# Allegro board A733_PRO3_AXP318_LPDDR5_FBGA315BALL_32X1_V2_0.brd (continued)
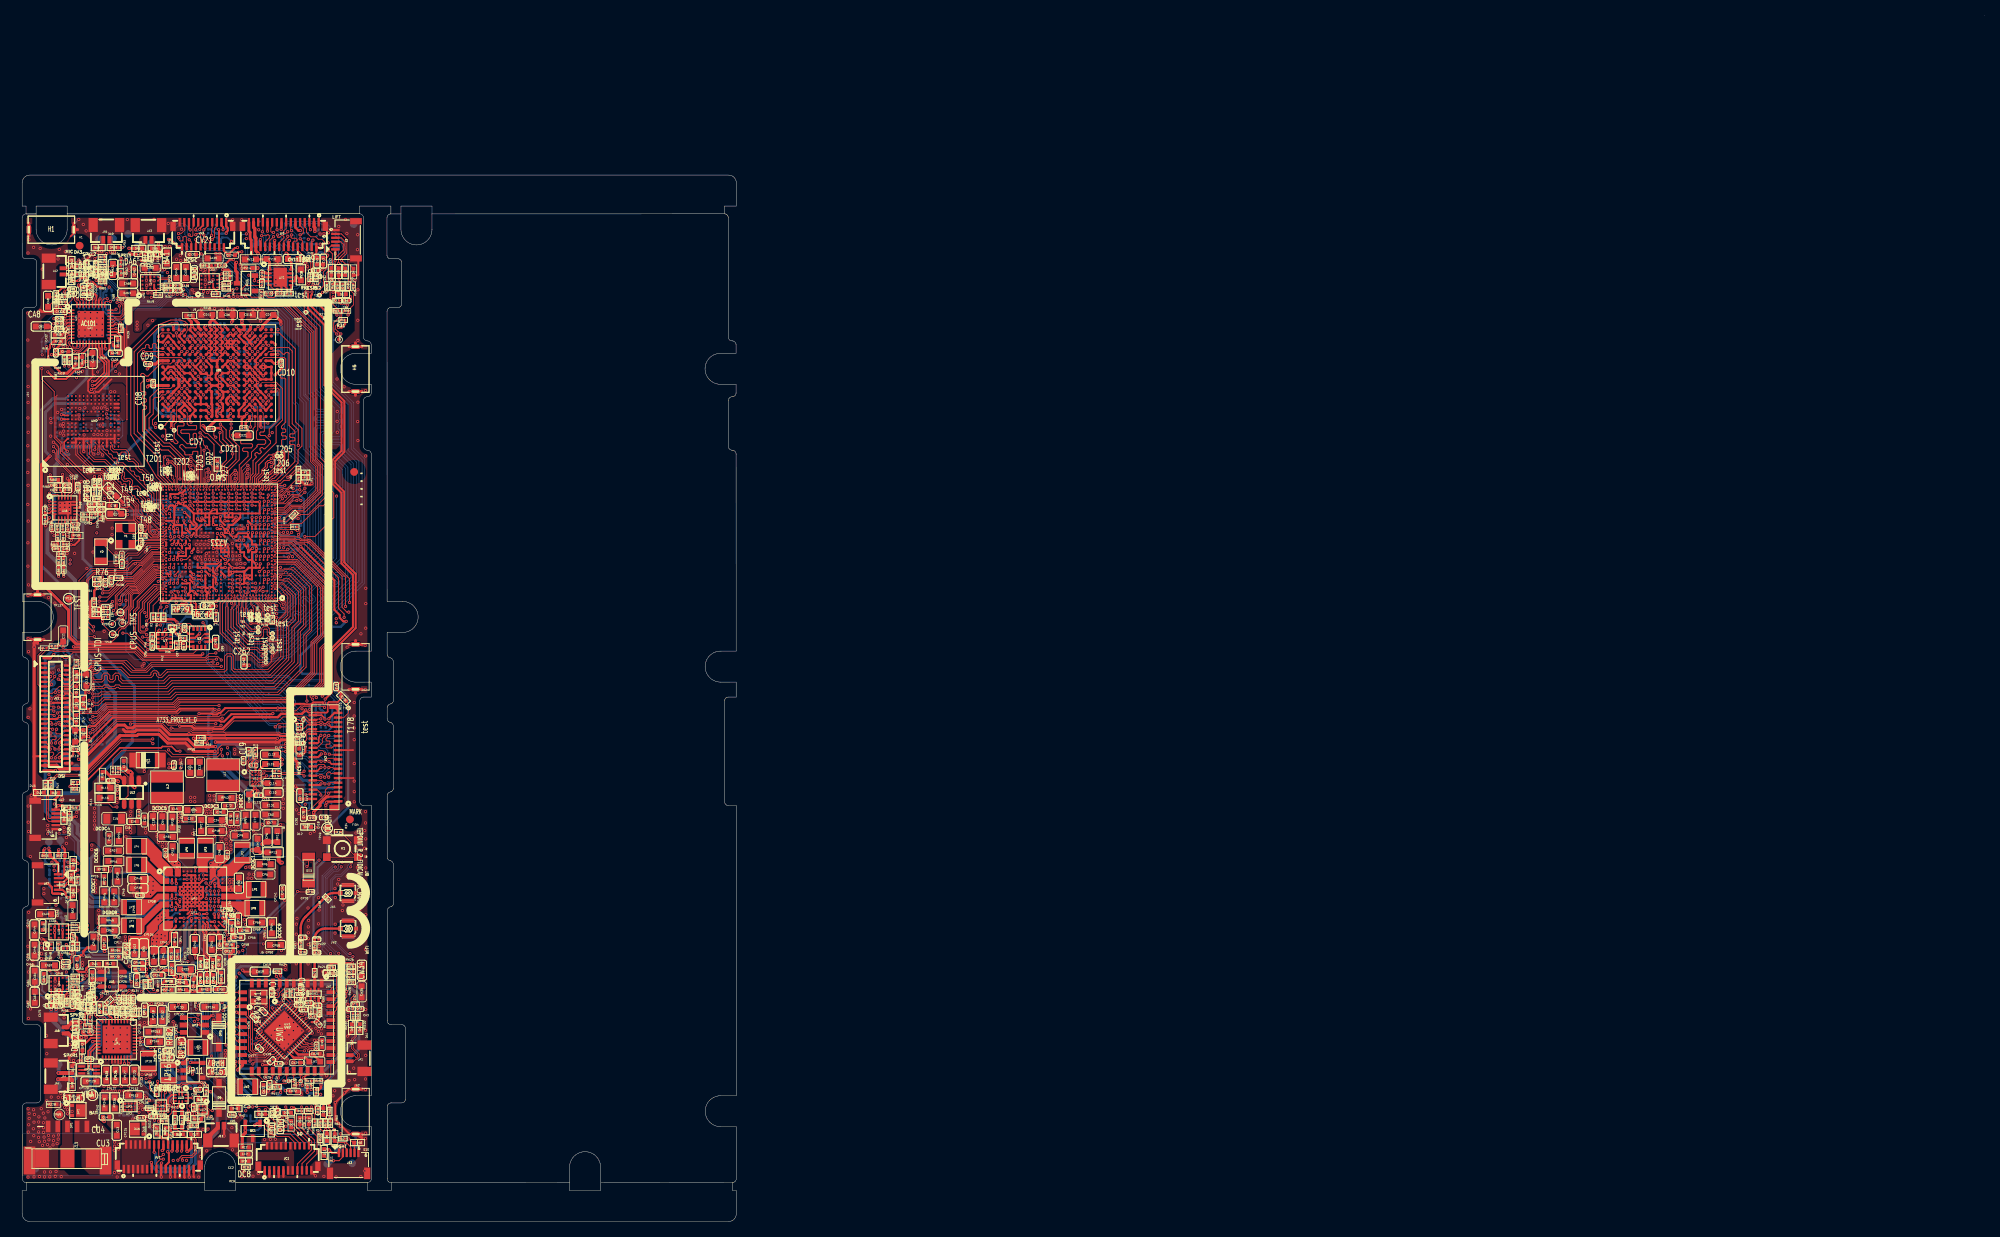
[diagram p0: board, top side]
## Copper pours and planes (outline as drawn; the poured copper is in the pictures) (continued)
DCDC2 on TOP: 26.73,52.07 26.62,52.18 26.62,53.62 26.63,53.63 26.63,54.11 26.64,54.12 26.64,54.95 26.79,55.1 27.91,55.1 28.75,54.27 31.68,54.27 31.95,54 31.95,51.23 31.9,51.18 31.41,51.18 31.31,51.28 31.31,51.57 30.82,52.07
DCDC2 on BOTTOM: 26.82,86.23 26.82,87.52 27,87.7 27.2,87.7 27.41,87.5 27.66,87.5 27.71,87.45 27.71,86.74 27.84,86.61 29.29,86.61 29.4,86.51 29.4,84.95 29.13,84.68 27.29,84.68 27.08,84.89 27.08,85.61 26.95,85.75 26.95,86.1
DCDC2 on L3: 34.47,84.53 34.47,77.69 33.62,76.84 33.62,71.67 32.53,70.57 32.53,53.64 31.69,52.81 27.82,52.81 27.32,53.31 27.32,54.63 27.34,54.66 27.34,55.56 28.82,57.04 28.82,70.3 27.34,71.78 27.34,77.21 27.18,77.38 27.18,80.06 25.92,81.32 25.92,84.26 26.37,84.71 26.37,85.24 26.85,85.72 26.85,85.95 26.64,86.15 26.64,86.16 25.9,86.16 25,87.06 25,88.63 25.37,89 26.07,89 26.4,88.67 26.59,88.67 27.02,89.1 27.26,89.1 27.54,88.82 28.61,88.82 28.81,88.62 28.81,87.7 29.37,87.14 29.37,86.7 29.55,86.52 32.47,86.52
DCDC2 on L4: 21.28,90.98 21.99,90.98 22.5,90.48 25.65,90.48 26.06,90.07 27.62,90.07 28.89,88.8 28.89,85.32 28.98,85.23 28.98,84.77 28.81,84.61 27.12,84.61 26.86,84.87 26.86,85.99 26.81,85.99 26.68,86.12 25.72,86.12 24.32,87.52 24.32,88.29 23.93,88.67 22.83,88.67 22.64,88.48 22.64,88.3 22.65,88.29 22.5,88.14 22.2,88.14 22.03,88.3 22.03,88.93 21.24,89.71 20.85,89.71 20.63,89.93 20.63,90.5 20.9,90.77 21.07,90.77
DCDC3 on TOP: 23.7,86.56 25.3,86.56 25.4,86.46 25.4,85.26 25.27,85.14 23.55,85.14 23.39,84.98 23.39,84.78 23.29,84.68 23.06,84.68 22.39,85.36 22.17,85.36 21.99,85.53 21.99,85.83 22.25,86.09 23.23,86.09
DCDC3 on TOP: 22.44,53.83 25.26,53.83 25.41,53.68 25.41,52.49 25.36,52.44 24.9,52.44 24.76,52.3 24.76,51.47 24.7,51.41 21.94,51.41 21.7,51.65 21.7,52.22 22.25,52.77 22.25,53.64
DCDC3 on BOTTOM: 23.65,86.53 24.03,86.53 24.54,87.04 25.25,87.04 25.35,86.94 25.35,86.53 25.63,86.25 25.63,85.89 25.76,85.75 25.76,84.96 25.7,84.9 23.45,84.9 23.31,84.76 23.31,84.76 23.09,84.76 23.04,84.81 23.04,85.18 22.95,85.28 22.25,85.28 22.1,85.43 22.1,85.75 22.23,85.88 22.99,85.88
DCDC3 on L3: 25.23,86.6 25.41,86.42 25.41,85.05 25.58,84.88 25.58,82.8 25.88,82.5 25.88,80.77 26.33,80.32 26.33,79.8 26.86,79.28 26.86,71.6 28.41,70.05 28.41,57.15 26.89,55.63 26.89,52.41 26.67,52.19 25.89,52.19 25.83,52.25 21.9,52.25 20.91,53.24 20.2,53.24 20.04,53.4 20.04,56.75 20.92,57.62 20.92,61.16 20.56,61.52 20.56,63.22 20.92,63.58 20.92,64.5 20.58,64.83 20.58,73.32 20.61,73.32 20.92,73.63 20.92,77.17 20.17,77.92 19.82,77.92 18.41,79.33 18.41,80.58 18.49,80.66 18.49,84.65 18.68,84.84 20.48,84.84 21.06,85.41 21.76,85.41 22.41,86.07 23.22,86.07 23.59,86.44 24.75,86.44 24.91,86.6
DCDC4 on TOP: 22.89,88.16 22.71,88.34 22.71,89.15 23.04,89.48 23.22,89.48 23.27,89.43 23.27,89.13 23.39,89 24.71,89 24.79,88.92 24.79,88.29 24.66,88.16
DCDC4 on TOP: 14.69,50.94 14.69,50.18 14.46,49.95 11.98,49.95 11.58,49.54 10.92,49.54 10.62,49.83 10.62,50.37 11.49,51.23 14.4,51.23
DCDC4 on BOTTOM: 23.06,89.47 23.14,89.39 23.14,89.25 23.34,89.05 24.48,89.05 24.58,88.95 24.58,88.2 24.54,88.16 22.89,88.16 22.73,88.31 22.73,88.52 22.12,89.13 22.12,89.43 22.16,89.47
DCDC4 on L3: 19.66,57.22 16.47,54.04 16.47,51.73 15.6,50.86 15.6,50.09 15.49,49.97 13.84,49.97 13.31,50.51 13.31,58.44 13.75,58.89 13.75,63.3 14.32,63.86 14.32,64.78 13.98,65.12 13.98,84.95 17.22,88.19 22.26,88.19 22.69,88.62 24.37,88.62 24.77,88.21 24.77,86.91 24.54,86.68 22.59,86.68 22.42,86.51 22.42,86.17 21.92,85.66 18.71,85.66 18.05,85 18.05,81.19 17.53,80.67 17.53,79.26 19.66,77.13
DCDC5 on TOP: 19.4,53.86 19.57,53.69 19.57,52.82 19.77,52.62 19.77,51.86 19.72,51.81 16.67,51.81 16.65,51.79 16.34,51.79 16.2,51.93 15.53,51.93 15.46,51.99 15.46,52.98 16.34,53.86
DCDC5 on TOP: 24.23,88.01 24.33,87.91 24.33,86.88 24.17,86.71 23.65,86.71 23.14,86.2 22.52,86.2 22.38,86.34 22.38,86.97 22.25,87.09 22.07,87.09 21.92,87.25 21.92,87.88 22.05,88.01
DCDC5 on BOTTOM: 22.71,88.11 22.78,88.03 24.56,88.03 24.64,87.96 24.64,87.27 24,86.64 23.67,86.64 22.91,85.87 22.91,84.93 22.78,84.81 22.38,84.81 22.25,84.68 18.7,84.68 17.51,83.49 17.51,75.28 18.56,74.24 19.85,74.24 23.55,70.53 23.55,57.06 20.58,54.09 20.58,53.66 19.65,52.73 16.88,52.73 16.45,53.15 16.45,57.21 17.69,58.44 17.69,70.87 15.69,72.86 14.39,72.86 13.86,73.39 13.86,73.4 13.56,73.71 13.56,79.01 13.86,79.31 13.86,86.64 15.34,88.11
DCDC6 on TOP: 10.57,46.92 11.43,46.92 11.57,46.78 11.57,45.07 11.44,44.94 10.59,44.94 10.31,45.23 10.31,46.66
DCDC6 on BOTTOM: 24.77,89.71 24.28,89.71 23.88,90.12 23.88,90.85 23.65,91.08 23.65,91.64 23.86,91.85 23.86,93.99 23.59,94.26 22.41,94.26 22.24,94.43 15.5,94.43 12.95,91.88 12.95,81.78 13.17,81.56 13.17,73.54 14.4,72.31 14.82,72.31 15.85,71.28 16.35,71.28 17.39,70.23 17.39,60.22 15.36,58.19 15.36,57.86 15.16,57.66 15.16,54.56 13.61,53.01 13.61,52.5 13.22,52.11 13.22,45.25 12.86,44.89 11.11,44.89 10.9,45.1 10.9,46.56 11.51,47.17 11.51,57.07 16.06,61.62 16.06,68.51 16.05,68.52 16.05,69.14 12.23,72.96 12.23,73.97 11.28,74.93 11.28,77.12 10.54,77.85 10.54,90.21 10.93,90.6 10.93,93.19 17.06,99.32 23.9,99.32 25.43,97.79 25.43,95.67 25.19,95.43 25.19,95.26 25.32,95.12 25.32,91.18 25.22,91.08 25.22,90.5 25.17,90.45 25.17,90.01 25.15,89.99 24.94,89.99 24.89,89.94 24.89,89.84 ; 1 cut-out
DCDC7 on TOP: 8.9,43.98 9.18,44.27 9.69,44.27 9.98,43.98 10.87,43.98 11.04,43.8 11.04,42.25 10.98,42.19 10.29,42.19 10.29,42.18 8.99,42.18 8.9,42.28
DCDC7 on BOTTOM: 9.21,47.12 9.93,47.84 9.93,56.82 10.14,57.03 10.14,57.29 13.44,60.59 13.44,60.81 14.47,61.84 14.47,63.25 14.74,63.52 14.74,69.17 8.71,75.2 8.71,83.28 8.72,83.29 8.72,84.61 7.85,85.49 7.85,93.56 15.39,101.1 20.29,101.1 21,101.81 24.45,101.81 24.52,101.88 24.52,104.96 23.89,105.59 22.63,105.59 21.8,106.42 21.8,107.34 21.43,107.72 19.84,107.72 18.97,108.59 18.97,110.85 19.66,111.54 20.7,111.54 21.86,110.38 22.56,110.38 22.92,110.74 22.92,116.04 23.07,116.19 26.53,116.19 26.75,115.96 26.75,115.83 27.11,115.47 27.11,115.07 27.3,114.88 27.3,112.13 27.31,112.13 27.48,111.96 27.94,111.96 28.72,111.17 31.13,111.17 31.32,110.97 31.32,108.06 30.95,107.69 29.24,107.69 29.17,107.75 28.82,107.75 28.57,107.5 28.57,96.03 28.8,95.81 28.8,91.97 28.21,91.39 28.21,90.43 27.99,90.2 27.99,90.17 25.98,90.17 25.86,90.3 25.86,90.68 25.93,90.76 26.63,90.76 26.82,90.96 26.82,94.26 26.71,94.37 26.7,94.37 25.86,95.22 25.86,98.22 25.23,98.84 24.72,98.84 24.03,99.53 16.98,99.53 10.21,92.77 10.21,77.89 11.03,77.07 11.03,74.85 12.03,73.86 12.03,72.94 15.88,69.09 15.88,61.63 11.32,57.07 11.32,47.29 10.65,46.62 10.65,42.63 10.28,42.26 9.32,42.26 9.21,42.37
DCDC7 on L4: 22.78,115.18 22.22,115.74 22.22,118.3 22.7,118.79 26.43,118.79 26.96,118.26 26.96,114.63 26.63,114.3 26.63,112.59 26.64,112.58 26.64,112.38 26.18,111.91 23.78,111.91 22.78,112.91
DCDC8 on TOP: 11.59,39.28 13.37,39.28 13.5,39.15 13.5,37.19 13.36,37.05 11.6,37.05 11.48,37.17 11.48,39.17
DCDC8 on BOTTOM: 11.25,103.15 12.06,103.15 12.12,103.09 12.12,102.73 12.12,102.73 12.26,102.59 12.61,102.59 12.72,102.49 12.72,101.52 11.64,100.44 9.03,100.44 8.86,100.61 8.86,101.04 8.96,101.14 11.03,101.14 11.22,101.33 11.22,103.13
DCDC9 on TOP: 30.96,37.58 32.63,37.58 32.71,37.5 32.71,35.05 32.23,34.57 30.61,34.57 30.51,34.66 30.51,37.14
DCDC9 on BOTTOM: 24.58,38.9 24.89,38.9 24.89,38.9 25.26,38.9 25.95,38.21 25.95,37.84 26.08,37.71 26.98,37.71 27.6,37.08 30.87,37.08 31.15,37.36 31.39,37.36 31.56,37.2 31.56,36.39 31.24,36.07 27.44,36.07 26.84,36.67 26.14,36.67 25.82,37 25.66,37 24.32,38.34 24.32,38.63
DCDC9 on L3: 25.21,41.91 25.71,41.91 26.3,41.33 26.3,38.87 25.7,38.28 24.56,38.28 24.47,38.37 24.47,38.9 24.58,39.01 25.08,39.01 25.63,39.56 25.63,40.93 25.08,41.48 25.08,41.78
DCDC9 on L4: 25.22,41.87 25.83,41.87 26.9,40.81 26.9,36.88 26.75,36.73 26.28,36.73 26.05,36.96 26.05,37.35 24.99,38.4 24.73,38.4 24.52,38.61 24.52,39.22 24.72,39.41 25.55,39.41 25.66,39.51 25.66,40.73 25.09,41.29 25.09,41.75
ELDO1 on TOP: 25.15,36.3 25.7,36.3 25.77,36.37 25.77,37.39 25.17,37.98 24.98,37.98 24.95,37.95 24.95,37.7 25.06,37.58 25.06,36.39
LDO2V5-INPUT on TOP: 11.78,35.41 11.89,35.29 11.89,33.89 11.62,33.61 8.79,33.61 7.94,32.77 7.57,32.77 7.43,32.9 7.43,33.81 7.76,34.14 8.04,34.14 8.58,34.68 10.41,34.68 10.91,35.19 10.91,35.27 11.06,35.41
LDO2V5-INPUT on TOP: 19.38,26.04 19.59,26.04 19.93,25.7 19.93,25.22 19.51,24.8 19.51,24.21 19.37,24.07 18.55,24.07 18.46,24.16 18.46,25.12
LDO2V5-INPUT on BOTTOM: 19.22,26.01 20.19,26.01 22.95,23.25 22.95,18.93 22.81,18.79 21.84,18.79 21.76,18.87 21.76,19.63 21.87,19.75 21.87,20.17 21.97,20.26 21.97,21.84 21.42,22.39 21.42,23.24 21.1,23.56 21.1,23.8 19.8,25.1 19.27,25.1 19.12,25.24 19.12,25.91
LDO2V5-INPUT on L3: 7.52,33.6 8.58,33.6 8.95,33.22 8.95,31.36 7.43,29.84 7.43,28.42 7.79,28.06 7.79,26.56 8.43,25.92 9.81,25.92 10.62,25.12 10.62,23.07 10.77,22.91 15.17,22.91 15.97,22.11 18.39,22.11 18.55,21.95 22.29,21.95 22.77,21.47 22.77,19.27 22.2,18.7 19.43,18.7 17.49,20.63 14.66,20.63 14.05,21.24 10.65,21.24 9.42,22.46 9.42,23.4 9.19,23.63 8.9,23.63 8.44,24.08 7.55,24.08 6.69,24.94 6.69,27.96 6.27,28.39 6.27,30.86 7.26,31.85 7.26,33.34
PA-VDD-L on TOP: 25.74,123.24 24.79,122.29 24.79,121.91 24.73,121.86 24.53,121.86 24.48,121.91 24.48,122.72 24.76,123 24.76,124.99 24.86,125.09 25.64,125.09 25.74,124.99
PA-VDD-L on TOP: 18.28,124.03 19.02,124.03 19.08,123.96 19.08,123.18 18.97,123.06 18.88,123.06 18.31,122.49 17.55,122.49 17.29,122.24 17.29,121.86 17.19,121.75 16.92,121.75 16.81,121.87 16.81,123.47 16.91,123.57 17.83,123.57
PA-VDD-L on BOTTOM: 18.46,123.06 18.55,122.97 18.55,122.66 18.22,122.33 17.04,122.33 16.71,122.65 16.71,123.01 16.76,123.06
PA-VDD-L on L4: 20.3,125.37 25.57,125.37 25.85,125.09 25.85,124.34 25.33,123.82 22.66,123.82 21.59,122.76 18.66,122.76 18.44,122.53 17.41,122.53 17.2,122.73 17.2,123.79 17.42,124 17.8,124 18.73,124.93 19.86,124.93
PA-VDD-R on TOP: 3.89,33.48 4.61,33.48 4.66,33.43 4.66,32.74 4.84,32.56 5.33,32.56 5.48,32.41 5.48,31.33 5.43,31.28 5.05,31.28 5.01,31.32 5.01,31.56 4.82,31.75 4.57,31.75 3.84,32.48 3.84,33.43
PA-VDD-R on TOP: 4.73,40.54 5.38,39.89 6.99,39.89 7.08,39.8 7.08,38.87 6.94,38.73 5.71,38.73 5.38,38.4 5.38,38.05 5.32,37.98 5.13,37.98 5.05,38.06 5.05,38.67 4.76,38.96 3.51,38.96 3.33,39.14 3.33,40.36 3.51,40.54
PA-VDD-R on BOTTOM: 3.66,40.63 4.1,40.63 4.6,40.12 4.6,39.28 4.55,39.23 4.31,39.23 3.92,39.62 3.69,39.62 3.63,39.69 3.63,40.59
PA-VDD-R on BOTTOM: 4.15,33.29 4.54,33.29 4.63,33.2 4.63,32.75 4.89,32.5 5.1,32.5 5.27,32.33 5.27,31.96 5.11,31.8 4.11,31.8 4.07,31.84 4.07,33.21
PA-VDD-R on L4: 3.88,40.3 4.87,40.3 5.01,40.16 5.01,37.06 4.67,36.71 4.67,33.06 4.85,32.88 5.16,32.88 5.27,32.78 5.27,31.89 5.14,31.76 4.09,31.76 3.86,31.99 3.86,32.5 3.53,32.83 3.53,39.94
PS on TOP (solid shape): 18.87,40.27 18.94,40.2 18.94,39.43 18.95,39.41 18.96,39.39 19.02,39.33 19.03,39.32 19.05,39.32 19.39,39.32 19.46,39.25 19.46,39.1 19.39,39.03 18.77,39.03 18.35,39.03 18.33,39.02 18.32,39.01 17.51,38.21 17.5,38.19 17.5,38.17 17.5,37.7 17.48,37.67 16.47,36.66 16.46,36.64 16.45,36.62 16.45,35.52 16.44,35.48 16.14,35.18 16.1,35.17 13.22,35.17 13.12,35.26 13.12,35.68 13.21,35.77 13.46,35.77 13.48,35.77 13.5,35.78 13.63,35.91 13.64,35.93 13.64,35.95 13.64,36.11 13.64,36.12 13.66,36.23 13.64,36.34 13.64,36.35 13.64,36.58 13.65,36.59 13.67,36.68 13.67,36.77 13.74,36.86 14.74,36.86 14.78,36.84 15.37,36.84 15.41,36.86 15.61,37.05 16.02,37.46 16.03,37.48 16.03,37.5 16.03,38.05 16.05,38.09 18.22,40.26 18.25,40.27
PS on TOP (solid shape): 26.54,47.29 26.56,47.29 26.58,47.28 26.64,47.22 26.65,47.2 26.65,47.18 26.65,46.73 26.65,46.71 26.64,46.69 26.16,46.21 26.14,46.2 26.12,46.2 25.98,46.2 25.96,46.19 25.93,46.17 25.91,46.17 25.83,46.17 25.81,46.16 25.8,46.15 24.99,45.34 24.98,45.33 24.97,45.31 24.97,44.69 24.98,44.67 24.99,44.66 25.06,44.59 25.06,44.57 25.13,44.47 25.23,44.41 25.24,44.41 25.43,44.21 25.44,44.2 25.45,44.18 25.45,43.52 25.45,43.5 25.46,43.48 25.63,43.31 25.65,43.3 25.67,43.3 26.78,43.3 26.8,43.3 26.81,43.31 26.88,43.38 26.9,43.39 26.92,43.39 27.01,43.39 27.03,43.38 27.22,43.33 27.42,43.38 27.44,43.39 28.26,43.39 28.28,43.39 28.3,43.38 28.32,43.35 28.33,43.34 28.34,43.32 28.34,42.62 28.33,42.6 28.3,42.56 28.28,42.56 25.77,42.56 25.75,42.56 25.74,42.57 25.69,42.62 25.68,42.64 25.67,42.66 25.67,42.79 25.67,42.81 25.66,42.83 25.51,42.98 25.5,42.99 25.48,42.99 25.31,42.99 25.3,42.99 25.28,43.01 25.18,43.1 25.17,43.12 25.17,43.14 25.17,44.11 25.16,44.13 25.15,44.15 25.07,44.23 25.06,44.25 24.88,44.41 24.64,44.35 24.6,44.31 24.35,44.06 24.33,44.04 24.31,44.04 24.26,44.04 24.24,44.04 24.23,44.06 24.19,44.09 24.18,44.11 24.17,44.13 24.17,46.3 24.18,46.32 24.19,46.34 24.27,46.43 24.29,46.44 24.31,46.44 24.53,46.44 24.55,46.44 24.56,46.46 24.86,46.76 24.88,46.77 24.88,46.79 24.88,47.2 24.88,47.22 24.89,47.24 24.94,47.28 24.95,47.29 24.97,47.29
PS on TOP: 18.19,126.05 19.27,126.05 19.35,125.97 19.35,124.79 19.15,124.59 18.21,124.59 18.09,124.7 18.09,125.94
PS on TOP: 20.24,25.72 21.62,25.72 22.47,24.87 22.47,23.87 22.05,23.45 22.05,21.48 21.97,21.4 21.13,21.4 21.04,21.5 21.04,22.59 20.98,22.66 20.08,22.66 19.97,22.77 19.97,23.72 20.16,23.91 21.44,23.91 21.52,23.99 21.52,24.85 21.44,24.93 20.27,24.93 20.15,25.05 20.15,25.64
PS on TOP: 2.61,43.23 3.22,43.23 3.62,42.84 3.62,42.2 3.88,41.93 5.33,41.93 5.85,41.41 6.85,41.41 6.95,41.31 6.95,40.44 6.88,40.36 5.44,40.36 4.73,41.07 3.54,41.07 2.52,42.09 2.52,43.14
PS on TOP: 26.48,21.12 26.28,20.93 26.28,20.06 26.2,19.97 25.4,19.97 25.31,20.07 25.31,21.6 25.47,21.75 25.66,21.75 25.86,21.95 25.86,22.14 25.97,22.26 26.36,22.26 26.48,22.14
PS on TOP: 29.24,124.62 29.24,123.79 29.1,123.65 29.1,122.8 28.96,122.66 28.16,122.66 27.93,122.88 27.93,124.67 28.01,124.75 29.12,124.75
PS on TOP: 14.79,52.7 14.71,52.78 14.71,55.14 14.99,55.42 20.92,55.42 21.04,55.54 21.04,58.24 21.13,58.33 22.89,58.33 22.9,58.34 23,58.34 23.48,58.81 23.48,59.57 23.62,59.71 27.97,59.71 28.33,59.35 28.61,59.35 28.73,59.23 28.73,58.28 29.18,57.83 29.18,57.73 29.52,57.39 29.7,57.39 29.83,57.26 29.83,57.15 29.74,57.06 28.81,57.06 28.1,57.77 28.1,57.77 28.1,58.1 28,58.2 23.81,58.2 23.52,57.91 23.52,54.11 23.35,53.95 22.12,53.95 22.11,53.93 16.15,53.93 15.29,53.07 15.29,52.79 15.2,52.7
PS on TOP: 22.22,38.3 22.47,38.3 22.53,38.24 22.53,37.21 22.65,37.09 22.65,36.08 22.61,36.04 21.86,36.04 21.85,36.05 21.85,37.09 22.13,37.36 22.13,38.21
PS on BOTTOM: 3.78,35.76 1.57,37.97 1.57,73.46 4.81,76.69 4.81,79.63 2.64,81.79 2.41,81.79 1.06,83.14 1.06,116.23 3.74,118.91 3.74,121.33 6.71,124.3 7.73,124.3 7.85,124.18 7.85,123.54 5.08,120.78 5.08,118.55 2.24,115.71 2.24,84.35 4.75,81.84 5.5,81.84 5.99,81.35 5.99,75.54 5.36,74.91 4.75,74.91 2.69,72.85 2.69,47.28 3.2,46.77 3.2,41.46 2.9,41.17 2.9,38.19 4.1,36.99 4.65,36.99 5.01,37.35 7.64,37.35 8.14,36.84 9.19,36.84 9.53,36.5 11.37,36.5 11.72,36.16 12.25,36.16 12.46,36.37 12.46,37.15 12.88,37.57 14.44,37.57 14.74,37.26 14.74,35.57 14.24,35.07 9.12,35.07 8.65,35.54 6.26,35.54 6.04,35.76
PS on BOTTOM: 26.84,43.38 28.6,43.38 28.65,43.33 28.65,42.71 28.47,42.53 26.82,42.53 26.67,42.68 26.67,43.21
PS on L3: 22.99,124.48 26.27,124.48 27.24,123.52 27.71,123.52 27.87,123.68 28.19,123.68 28.48,123.39 28.48,122.68 28.3,122.5 26.65,122.5 25.83,123.33 22.33,123.33 20.9,124.76 20.89,124.76 20.59,125.06 17.42,125.06 17.42,125.06 16.58,125.89 9.75,125.89 8.1,124.24 8.1,123.8 7.79,123.49 6.89,123.49 6.74,123.65 6.74,124.61 9.73,127.6 19.1,127.6 20.08,126.63 20.85,126.63
PS on L5GND: 23.7,20.24 23.06,20.88 23.06,20.91 21.49,22.48 20.8,22.48 20.21,23.07 20.21,25.87 21.59,27.25 21.59,28.37 23.24,30.02 23.24,34.87 20.46,37.66 16,37.66 16,44.97 19.49,48.46 19.49,54.81 19.72,55.04 22.46,55.04 22.74,54.76 22.74,48.41 23.77,47.38 25.95,47.38 28.58,44.75 28.58,44.04 30.06,42.57 30.06,31.51 28.79,30.24 28.79,22.47 26.56,20.24
SBU1 on TOP: 23.39,16.61 23.89,16.61 24.02,16.47 24.02,15.19 24.11,15.1 24.11,14.78 24.04,14.71 23.21,14.71 23.14,14.78 23.14,15.35 23.22,15.44 23.22,16.45
SPKL1+ on TOP: 16.47,127.16 16.9,127.16 17.19,126.87 17.19,125.17 17.34,125.02 17.34,124.64 17.32,124.61 16.44,124.61 16.42,124.64 16.42,127.11
SPKL1- on TOP: 15.45,127.16 16.1,127.16 16.14,127.13 16.14,124.67 16.07,124.61 15.11,124.61 15.07,124.65 15.07,126.78
SPKL2+ on TOP: 11.03,127.18 11.6,127.18 11.7,127.08 11.7,125.4 11.82,125.28 12.01,125.28 12.14,125.16 12.14,124.88 12.01,124.75 11.28,124.75 10.99,125.04 10.99,127.14
SPKL2+ on BOTTOM: 11.34,125.77 12,125.77 12.07,125.69 12.07,124.59 11.82,124.33 11.25,124.33 11.2,124.38 11.2,125.63
SPKL2- on TOP: 10.1,127.19 10.65,127.19 10.71,127.13 10.71,125.07 10.41,124.76 9.6,124.76 9.53,124.83 9.53,125.12 9.94,125.53 9.94,127.02
SPKL2- on BOTTOM: 9.6,125.73 10.45,125.73 10.64,125.54 10.64,124.4 10.61,124.37 9.94,124.37 9.53,124.78 9.53,125.67
SPKR1+ on TOP: 4.48,35.44 5.43,35.44 5.49,35.38 5.49,34.95 5.39,34.85 5.09,34.85 3.82,33.58 2.32,33.58 2.26,33.64 2.26,34.1 2.32,34.16 3.45,34.16 4.43,35.14 4.43,35.39
SPKR1- on TOP: 2.85,35.42 3.89,35.42 3.94,35.37 3.94,34.85 3.35,34.25 2.32,34.25 2.27,34.3 2.27,34.9 2.42,35.05 2.67,35.05 2.8,35.18 2.8,35.37
SWOUT1 on TOP: 32.62,49.97 32.44,50.15 32.44,50.88 32.53,50.96 32.77,50.96 33.24,51.43 33.74,51.43 33.95,51.22 33.95,50.46 33.46,49.97
SWOUT2 on TOP: 19.72,30.43 19.83,30.32 20.53,30.32 20.6,30.25 20.6,29.65 20.53,29.59 19.03,29.59 18.98,29.64 18.98,30.23 18.83,30.38 18.83,30.63 18.94,30.75 18.94,31.2 19.03,31.29 19.52,31.29 19.72,31.09
SWOUT2 on L4: 23.87,11.16 24.33,11.62 27.76,11.62 28.23,12.09 29.03,12.09 29.14,11.98 29.14,10.79 28.49,10.15 19.07,10.15 17.1,12.11 17.1,14.73 17.31,14.94 17.31,15.17 17.14,15.34 17.14,15.96 17.99,16.82 19.85,16.82 20.35,17.32 20.8,17.32 21.26,16.87 22.49,16.87 22.56,16.79 22.56,16.51 22.31,16.26 22.31,15.04 22.02,14.74 21.67,14.74 21.19,15.23 18.97,15.23 18.73,14.98 18.73,13.19 19.29,12.64 20.1,12.64 20.44,12.98 21.85,12.98 21.99,12.84 21.99,11.72 22.55,11.16 ; 1 cut-out
TS on TOP: 6.51,12.77 6.51,9.99 6.79,9.71 6.79,7 6.64,6.85 4.97,6.85 4.86,6.96 4.86,9.64 5.14,9.92 5.14,12.99 4.9,13.23 4.49,13.23 4.15,13.57 4.15,15.37 4.22,15.43 5,15.43 5.23,15.21 5.23,14.05
UFS-VCCQ on TOP: 5.95,101.37 7.03,101.37 7.03,101.45 7.42,101.85 8.53,101.85 8.6,101.92 8.6,102.08 8.51,102.17 5.78,102.17 5.75,102.2 4.67,102.2 4.52,102.05 4.52,101.35 4.73,101.14 5.72,101.14
UFS-VCCQ on BOTTOM: 5.55,102.16 5.64,102.07 5.64,101.45 5.73,101.36 8.53,101.36 8.71,101.18 8.71,100.42 8.64,100.36 6.04,100.36 5.51,100.89 4.9,100.89 4.84,100.95 4.84,101.44 4.63,101.65 4,101.65 3.9,101.75 3.9,102.6 4.01,102.72 4.41,102.72 4.49,102.64 4.49,102.51 4.84,102.16
UFS-VCCQ2 on TOP: 5.76,102.31 7.3,102.31 7.3,103.27 4.62,103.27 4.54,103.18 4.54,102.43 4.67,102.3 5.75,102.3
UFS-VCCQ2 on BOTTOM: 4.89,103.19 11,103.19 11.07,103.11 11.07,102.54 10.92,102.38 10.12,102.38 9.98,102.53 5.9,102.53 5.88,102.55 5.7,102.55 5.45,102.3 4.96,102.3 4.65,102.6 4.65,102.95
VLED+ on TOP: 14.42,54.37 14.42,51.51 14.24,51.33 12.34,51.33 12.31,51.36 12.31,52.73 12.55,52.97 13.53,52.97 13.72,53.16 13.72,54.39 13.84,54.51 14.28,54.51
VLED+ on TOP: 2.45,72.18 3.48,72.18 4.18,72.88 4.74,72.88 5.09,72.52 5.97,72.52 6.62,73.17 14.24,73.17 15.18,72.23 15.74,72.23 15.9,72.06 15.9,71.79 15.9,71.79 15.9,71.61 15.72,71.43 14.62,71.43 13.49,72.56 6.93,72.56 6.38,72.01 6.38,71.84 6.07,71.53 5.52,71.53 5.04,72 4.33,72 4.06,71.74 3.32,71.74 3.19,71.87 2.43,71.87 2.41,71.89 2.41,72.14
VLED+ on TOP: 13.26,60.53 15.21,60.53 15.87,59.87 15.87,57.98 15.71,57.82 14.96,57.82 13.65,59.13 12.91,59.13 12.78,59.25 12.78,60.06
VLED+ on BOTTOM: 16.12,53.56 14.65,52.1 13.84,52.1 13.72,52.22 13.72,52.92 15.46,54.66 15.46,58.61 15.56,58.7 16,58.7 16.12,58.59
VLED+ on L4: 15.35,60.29 14.98,60.66 14.98,62.96 15.41,63.38 15.41,64.94 15.12,65.23 15.12,72.21 15.26,72.35 15.84,72.35 16.41,71.78 16.41,62.82 16.03,62.44 16.03,61.87 16.5,61.39 16.5,57.65 15.19,56.34 14.5,56.34 14.23,56.07 14.23,52.3 14.1,52.18 13.82,52.18 13.72,52.28 13.72,56.24 14.29,56.81 14.65,56.81 15.35,57.51
VLED- on TOP: 2.48,71 3.16,71 3.71,71.54 4.06,71.54 4.41,71.89 4.92,71.89 5.5,71.31 6.06,71.31 6.1,71.28 6.1,70.99 6.04,70.94 5.31,70.94 4.84,71.41 4.59,71.41 4.4,71.22 4.4,70.9 4.08,70.57 2.47,70.57 2.4,70.64 2.4,70.92
VLED- on TOP: 9.79,57.47 10.6,57.47 10.68,57.38 10.68,56.97 10.37,56.66 10.37,54.26 10.2,54.08 4.95,54.08 4.84,54.19 4.84,54.82 5.1,55.08 7.22,55.08 7.56,55.42 8.73,55.42 9.08,55.77 9.08,56.76
VLED- on L3: 3.59,72.54 5.91,72.54 6.07,72.38 6.07,57.61 5.4,56.94 5.4,54.07 5.22,53.9 4.97,53.9 4.58,54.29 4.58,54.32 3.72,55.17 3.72,59.15 4.1,59.53 4.88,59.53 5.05,59.69 5.05,66.54 5.03,66.56 5.03,68.55 5.01,68.55 4.91,68.65 4.63,68.65 4.56,68.72 4.56,69.63 4.66,69.73 4.82,69.73 5.03,69.94 5.03,70.54 4.86,70.71 4.25,70.71 4.11,70.57 3.31,70.57 3.24,70.64 3.24,72.19
N18662691 on TOP: 30.6,41.43 32.82,41.43 33.08,41.17 33.08,38.49 32.72,38.14 30.6,38.14 30.54,38.2 30.54,41.36
N18662765 on TOP: 22.95,50.89 24.72,50.89 24.8,50.81 24.8,50.1 25.04,49.86 25.04,49.06 24.77,48.79 22.68,48.79 22.63,48.84 22.63,50.57
N18662772 on TOP (solid shape): 16.18,49.47 16.2,49.46 16.21,49.45 18.02,47.65 18.03,47.63 18.03,47.61 18.03,46.94 18.04,46.92 18.05,46.91 19.36,45.6 19.37,45.58 19.37,45.55 19.41,45.52 19.42,45.5 19.43,45.48 19.43,44.63 19.42,44.61 19.41,44.59 19.37,44.56 19.36,44.54 19.34,44.54 18.58,44.54 18.56,44.54 18.55,44.56 16.51,46.59 16.5,46.61 16.5,46.63 16.5,46.85 16.49,46.87 16.48,46.89 16.07,47.3 16.05,47.31 16.03,47.32 15.53,47.32 15.51,47.32 15.49,47.33 15.38,47.45 15.37,47.46 15.36,47.48 15.36,49.37 15.37,49.39 15.38,49.4 15.42,49.45 15.44,49.46 15.46,49.47
N18662778 on TOP: 14.14,47.43 14.09,47.38 11.96,47.38 11.77,47.57 11.77,49.41 11.87,49.52 12.76,49.52 13.09,49.85 13.88,49.85 14.14,49.58
N18662797 on TOP: 12.05,41.59 13.49,41.59 13.55,41.54 13.55,39.61 13.48,39.55 11.21,39.55 10.19,40.56 10.19,41.53 10.27,41.6 12.03,41.6
N18662807 on TOP: 20.22,47.57 22.21,47.57 22.25,47.53 22.25,46.2 22,45.95 22,45.09 21.92,45.02 20.71,45.02 20.61,45.12 20.61,46.25 20.18,46.68 20.18,47.53
N18662816 on TOP: 19.01,51.2 22.07,51.2 22.2,51.08 22.2,48.89 22.05,48.74 20.41,48.74 19.94,49.21 19.1,49.21 18.89,49.42 18.89,51.08
N18662827 on TOP: 31.69,46.52 32.44,46.52 33.04,45.92 33.04,42.01 32.72,41.69 30.83,41.69 30.76,41.77 30.76,43.83 30.97,44.04 31.26,44.04 31.6,44.39 31.6,46.43
N18662831 on TOP: 11.96,47.19 14,47.19 14.16,47.02 14.16,45.04 14.07,44.95 13.12,44.95 13.01,44.84 11.93,44.84 11.84,44.93 11.84,47.06
N18662859 on TOP (solid shape): 29.33,41.29 29.36,41.27 29.38,41.24 29.38,39.55 29.36,39.52 29.19,39.35 29.16,39.33 28.53,39.33 28.49,39.35 28.24,39.6 28.23,39.62 28.22,39.64 28.19,39.67 28.17,39.68 28.13,39.72 28.11,39.77 28.04,39.84 28.02,39.86 27.93,40.02 27.76,40.09 27.73,40.11 27.3,40.54 27.29,40.55 27.27,40.55 25.8,40.55 25.65,40.7 25.65,41.19 25.75,41.29
N18662918 on TOP: 28.43,51.48 29.31,51.48 29.51,51.28 29.51,48.28 29.41,48.18 27.39,48.18 27.34,48.23 27.34,49.01 27.46,49.14 28.13,49.14 28.32,49.33 28.32,51.37
N20024777 on TOP: 21.18,38.82 21.41,38.82 21.47,38.77 21.47,37.68 21.22,37.44 21.22,33.78 20.5,33.05 19.85,33.05 19.6,32.81 19.04,32.81 18.97,32.88 18.97,33.34 19.24,33.62 20.21,33.62 20.7,34.11 20.7,37.64 21.1,38.04 21.1,38.74
N20896354 on TOP: 14.71,57.52 14.71,56.84 14.72,56.84 14.72,56.37 14.82,56.27 15.53,56.27 15.54,56.28 15.72,56.28 16.09,56.65 20.24,56.65 20.44,56.85 20.44,58.05 20.33,58.16 18.88,58.16 18.57,58.46 18.57,60.45 18.5,60.53 17.18,60.53 17.13,60.48 17.13,58.56 16.92,58.36 16.28,58.36 16.01,58.09 16.01,57.94 15.68,57.61 14.8,57.61
N20897399 on TOP: 29.74,56.92 28.53,56.92 28.45,57 23.91,57 23.81,56.89 23.81,55.41 23.86,55.36 28.52,55.36 28.99,55.83 28.99,56.11 29.54,56.66 29.72,56.66 29.82,56.76 29.82,56.84
N20960276 on TOP: 27.15,14.96 27.3,14.81 27.3,14.27 26.98,13.95 26.98,13.31 26.75,13.08 25.71,13.08 25.51,12.88 25.51,11.49 24.48,10.47 24.48,9.68 24.39,9.59 23.4,9.59 23.34,9.65 23.34,11.3 23.47,11.43 23.96,11.43 24.33,11.8 24.33,12.97 24.78,13.43 24.78,14.66 25.09,14.96
N20973990 on BOTTOM: 11.21,124.15 11.74,124.15 13.58,122.31 13.58,121.84 13.4,121.66 13.1,121.66 11.16,123.6 11.16,124.1
N20973990 on L4: 12.8,122.74 13.46,122.74 13.57,122.64 13.57,122.05 14.37,121.25 14.37,119.92 14.77,119.53 15.73,119.53 15.84,119.64 15.84,119.95 15.93,120.03 16.84,120.03 16.95,119.92 16.95,118.99 16.79,118.83 14.23,118.83 13.47,119.58 13.47,120.64 12.76,121.36 12.75,121.36 12.65,121.45 12.65,122.6
N20973992 on BOTTOM: 10.24,124.18 10.7,124.18 10.78,124.1 10.78,123.85 14.59,120.04 15.69,120.04 15.86,119.87 15.86,119.13 15.77,119.04 14.02,119.04 9.99,123.07 9.99,124.1 10.07,124.19 10.24,124.19
N21860248 on TOP: 15.63,23.98 14.52,23.98 14.5,24 14.5,24.15 14.54,24.19 15.16,24.19 15.17,24.21 15.17,24.37 15.15,24.4 14.51,24.4 14.5,24.41 14.5,24.56 14.52,24.59 15.57,24.59 15.87,24.89 16.63,24.89 16.68,24.84 16.68,24.84 16.78,24.74 16.78,22.73 16.71,22.66 15.98,22.66 15.84,22.8 15.84,23.77
N21860562 on TOP: 9.66,22.2 10.35,22.2 10.36,22.19 10.36,22 9.74,22 9.72,21.98 9.72,21.82 9.74,21.8 10.35,21.8 10.36,21.79 10.36,21.6 9.75,21.6 9.72,21.58 9.72,21.39 10.1,21.01 10.21,21.01 10.25,21.05 10.25,21.36 10.3,21.41 10.43,21.41 10.46,21.37 10.46,20.77 10.52,20.71 10.66,20.71 10.68,20.73 10.68,21.07 10.68,21.07 10.68,21.41 10.69,21.42 10.86,21.42 10.87,21.41 10.87,20.72 10.92,20.67 11.04,20.67 11.07,20.71 11.07,21.42 11.08,21.43 11.28,21.43 11.28,20.27 11.54,20 11.54,18.87 9.24,18.87 9.2,18.92 9.2,19.24 9.25,19.29 10.29,19.29 10.29,19.9 9.3,19.9 9.14,20.06 9.14,21.68
N21860731 on TOP: 15.27,23 16.12,22.15 17.26,22.15 17.32,22.09 17.32,21.37 17.27,21.32 15.3,21.32 15.27,21.29 15.27,20.85 15.15,20.73 13.95,20.73 13.88,20.79 13.88,21.44 13.92,21.48 14.03,21.48 14.03,21.48 14.17,21.48 14.25,21.55 14.25,21.79 14.26,21.8 14.91,21.8 14.93,21.82 14.93,21.98 14.92,22 14.27,22 14.25,22.01 14.25,22.18 14.27,22.2 14.92,22.2 14.94,22.22 14.94,22.38 14.93,22.39 14.26,22.39 14.24,22.4 14.24,22.6 14.25,22.6 14.94,22.6 14.96,22.63 14.96,22.78 14.94,22.8 14.26,22.8 14.24,22.81 14.24,22.99 14.25,23
N21864664 on TOP: 23.05,24.73 24.36,24.73 25.71,23.38 25.71,21.97 25.6,21.86 24.48,21.86 24.08,21.45 23.37,21.45 23.27,21.55 23.27,23.5 22.93,23.84 22.93,24.61
N21916813 on TOP: 22.74,38.82 22.96,38.82 23.06,38.72 23.06,37.39 23.23,37.22 23.23,34.3 23.32,34.21 23.32,33.62 23.27,33.57 22.71,33.57 22.63,33.65 22.63,34.37 22.76,34.5 22.76,37.18 22.66,37.28 22.66,38.74
N21939300 on TOP: 21.94,123.11 22.41,123.11 23.27,122.25 23.27,121.92 23.24,121.88 23.07,121.88 22.38,122.57 21.93,122.57 21.89,122.6 21.89,123.06
N21939303 on TOP: 21.97,122.29 22.4,122.29 22.98,121.7 23.25,121.7 23.3,121.65 23.3,121.42 23.25,121.37 22.31,121.37 21.93,121.75 21.93,122.25
N21946591 on TOP: 19.48,122.16 21.39,122.16 22.38,121.17 23.22,121.17 23.3,121.09 23.3,120.86 23.21,120.78 22.94,120.78 22.75,120.59 21.93,120.59 21.28,121.23 19.5,121.23 19.4,121.33 19.4,122.08
N21949056 on TOP: 16.36,124.5 17.77,124.5 17.94,124.33 17.94,123.95 17.75,123.76 16.36,123.76 16.29,123.84 16.29,124.42
N21949056 on L3: 17.01,124.65 19.08,124.65 22.76,120.97 22.76,120.23 23.29,119.71 23.46,119.71 24.11,120.36 24.89,120.36 25.09,120.17 25.09,119.06 24.92,118.89 22.04,118.89 21.12,119.81 21.12,120.84 18.41,123.54 17.13,123.54 16.9,123.78 16.9,124.55
N21949059 on TOP: 23.25,120.62 23.27,120.6 23.27,120.38 23.17,120.27 23.17,119.79 22.92,119.54 21.6,119.54 21.53,119.61 21.53,120.31 21.66,120.45 22.83,120.45 22.97,120.59 22.97,120.61 22.98,120.62
N21949059 on BOTTOM: 20.8,122.19 21.58,122.19 22.69,121.08 22.69,119.83 22.43,119.57 22.18,119.57 21.82,119.93 21.82,119.93 21.72,120.04 21.72,120.68 21.18,121.21 20.37,121.21 18.44,123.15 15.49,123.15 15.12,123.51 15.12,124.19 15.23,124.31 15.24,124.31 15.35,124.42 15.86,124.42 16.34,123.93 19.05,123.93
N21951788 on TOP: 13.95,121.42 14.87,121.42 15.23,121.06 15.6,121.06 15.65,121 15.65,120.71 15.6,120.66 14.89,120.66 14.75,120.52 14.75,119.44 14.66,119.35 13.94,119.35 13.91,119.38 13.91,121.39
N21952061 on TOP: 14.19,122.38 14.73,122.38 14.98,122.12 14.98,121.88 15.31,121.55 15.62,121.55 15.68,121.49 15.68,121.3 15.6,121.22 15.22,121.22 14.83,121.61 14.18,121.61 14.12,121.68 14.12,122.3
N21952064 on TOP: 14.19,123.25 14.59,123.25 15.69,122.15 15.69,121.78 15.64,121.73 15.37,121.73 15.3,121.8 15.3,122.03 14.65,122.68 14.21,122.68 14.16,122.73 14.16,123.21
N21962031 on TOP: 2.41,38.76 3.37,38.76 3.88,38.25 3.88,38.05 3.82,37.98 3.65,37.98 3.42,38.21 2.41,38.21 2.37,38.25 2.37,38.72
N21966863 on TOP: 1.21,37.5 1.99,37.5 2.27,37.22 3.79,37.22 3.84,37.17 3.84,37.02 3.78,36.96 3.64,36.96 3.39,36.7 2.38,36.7 2.14,36.46 2.14,35.51 2,35.37 1.23,35.37 1.19,35.41 1.19,37.48
N21972441 on TOP: 1.21,31.36 1.99,31.36 2.2,31.14 2.2,30.65 2.29,30.56 3.84,30.56 3.88,30.52 3.88,30.33 2.79,29.23 1.21,29.23 1.16,29.29 1.16,31.3
N21972752 on TOP: 2.55,32.22 3.12,32.22 3.26,32.08 3.31,32.08 3.87,31.52 3.87,31.34 3.82,31.29 3.36,31.29 2.96,31.7 2.55,31.7 2.52,31.72 2.52,32.19
N22225433 on TOP: 27.27,21.73 28.95,21.73 28.99,21.69 28.99,21.27 28.95,21.23 27.72,21.23 27.23,20.74 27.23,18.95 27.68,18.49 28.3,18.49 28.37,18.43 28.37,16.45 28.3,16.38 27.25,16.38 26.42,17.21 26.42,20.88
N22225437 on TOP: 29.36,19.98 29.83,19.98 29.89,19.91 29.89,18.88 30.35,18.43 30.56,18.43 31.12,17.87 31.27,17.87 31.31,17.83 31.31,17.36 31.26,17.31 30.68,17.31 30.56,17.19 30.56,16.39 30.51,16.34 29.73,16.34 29.69,16.38 29.69,18.4 29.31,18.78 29.31,19.93
N22408870 on TOP: 37.36,26.48 37.36,26.34 37.34,26.26 37.29,26.2 36.23,25.13 36.22,25.13 36.1,25.25 36.1,25.27 36.98,26.15 37.03,26.24 37.05,26.34 37.05,26.36 37.05,27.15 37.07,27.16 37.35,27.16 37.36,27.15 37.36,26.49
N22409347 on TOP: 35.57,27.66 35.51,27.45 35.39,27.27 34.74,26.62 34.73,26.62 34.61,26.73 34.61,26.75 35.19,27.32 35.24,27.42 35.26,27.53 35.26,28.12 35.28,28.13 35.57,28.13
N23315807 on TOP: 23.79,20.16 23.79,20.9 23.92,21.04 24.75,21.04 24.78,21.01 24.78,18.92 24.06,18.2 22.72,18.2 22.6,18.31 22.6,19.6 22.96,19.95 23.58,19.95
